# Altium PCB UM-64NNP-V1 rev 0.18_norail.PcbDoc (part 3 of 5)
Units mil, origin at the board's own origin, x right, y up, seen from the top; angles counter-clockwise.
Board outline 2614 x 1090.63 mil, 6 copper layers (L1, L2, L3, L4, L5, L6), stack 20.4 mil thick; 321 components, 171 nets, 960 pads, 1775 vias.
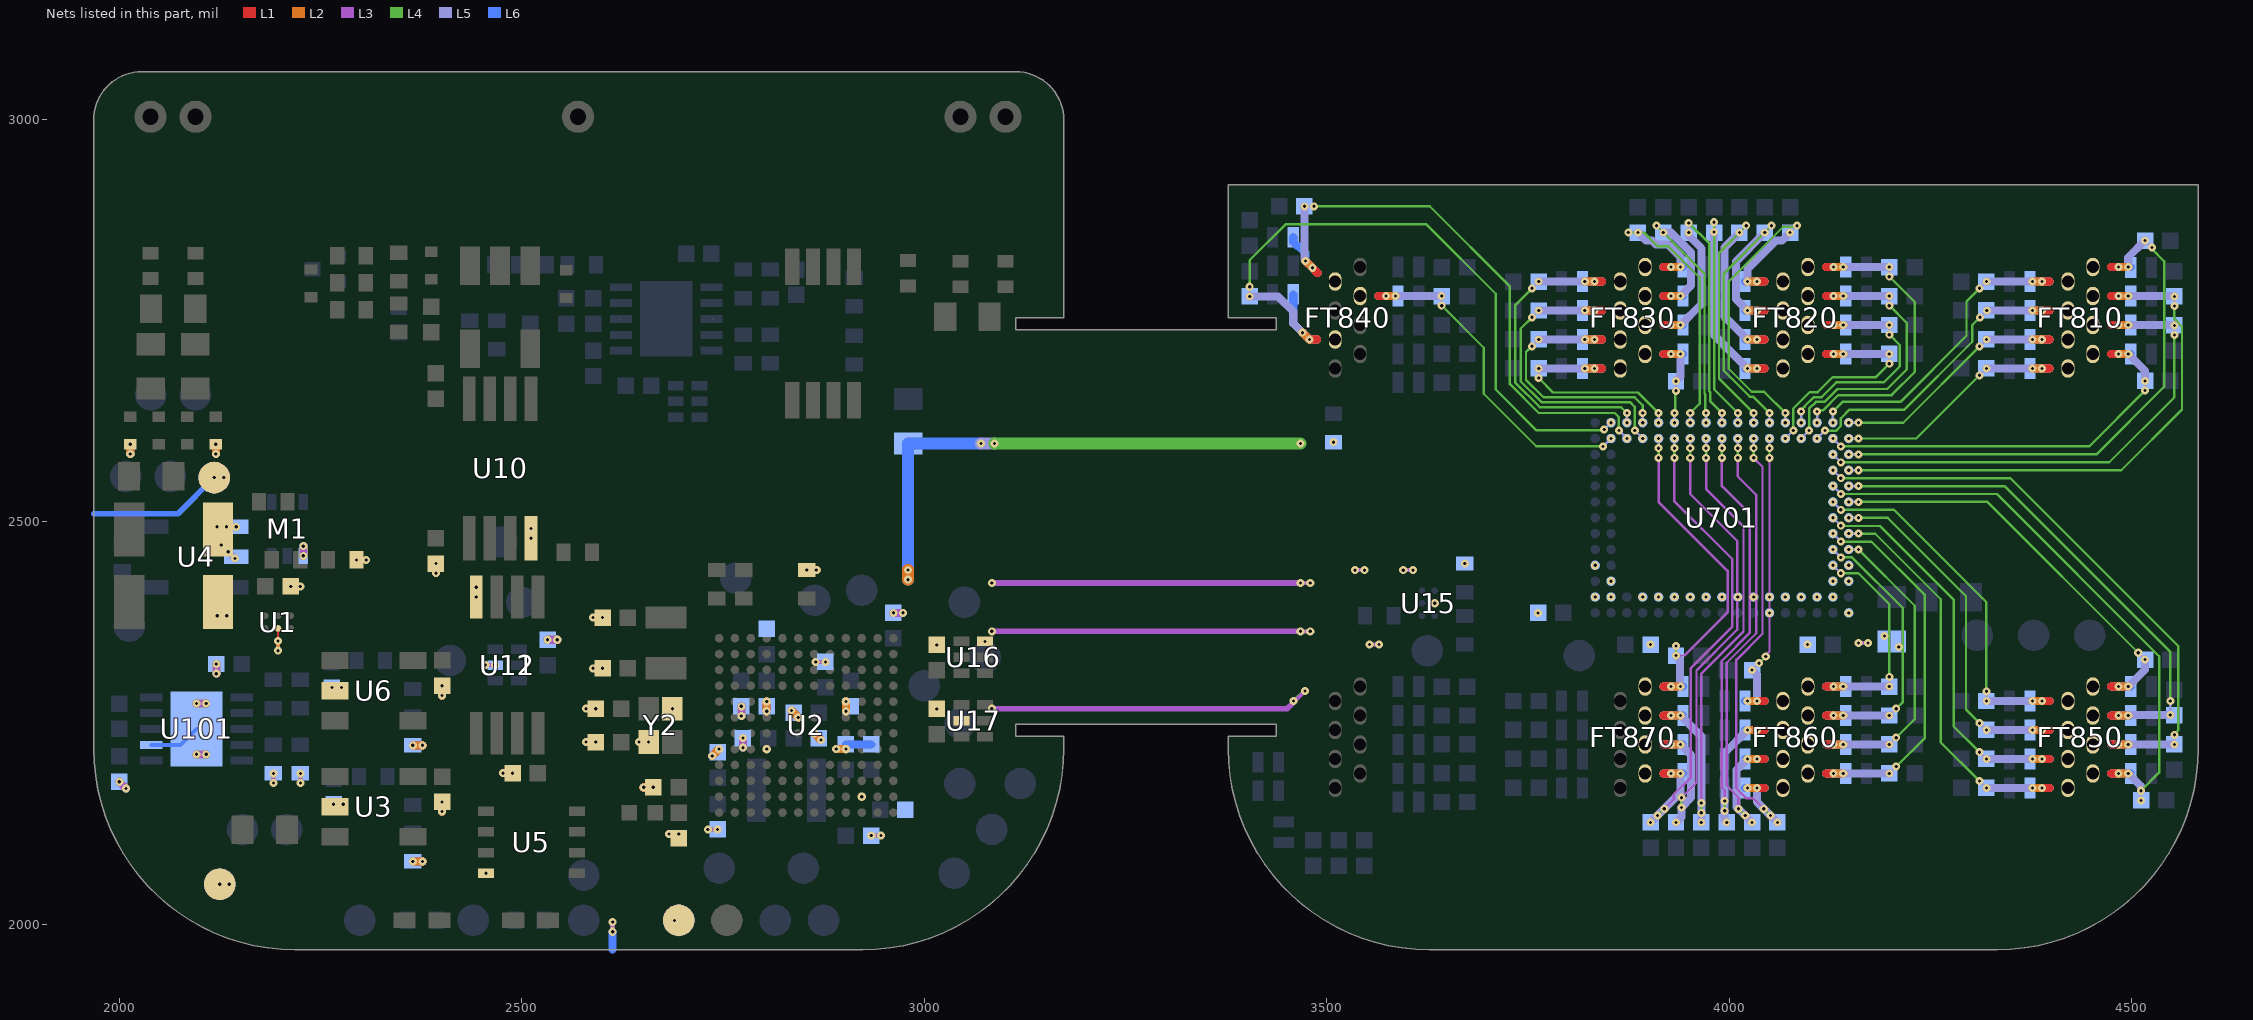
[diagram p7: the nets of this part, all layers, seen from the top]

## Via types
v1: diameter 10, hole 4, L5 to L6, tented bottom, 479 vias
v2: diameter 10, hole 4, L4 to L5, tented top, 389 vias
v3: diameter 10, hole 4, L3 to L4, 304 vias
v4: diameter 10, hole 4, L2 to L3, 295 vias
v5: diameter 10, hole 4, L1 to L2, tented top, 270 vias
v6: diameter 10, hole 4, L4 to L5, 32 vias
v7: diameter 10, hole 4, L3 to L4, tented both sides, 5 vias
v8: diameter 10, hole 4, L5 to L6, tented top, 1 vias

## Nets (pads, with @x,y where several pads share a name; then routed paths per layer and width w, separated by ;. In a path a pad name is that pad's centre, name@x,y a point inside that pad or via, vN(x,y) a via of type N, cw(c..) or ccw(c..) an arc to the next point about the centre after c; other vN are vias at no path point) (continued)
GND: C1.1 C2.2 C3.2 C4.2 C5.2 C6.2 C8.2 C9.2 C10.2 C11.2 C12.2 C13.2 C14.2 C15.1 C16.2 C18.2 C19.2 C23.1 C24.2 C25.2 C26.1 C27.1 C28.2 C34.2 C35.2 C36.2 C37.1 C38.1 C39.2 C40.2 C41.1 C42.1 C43.2 C44.2 C102.2 C103.2 C701.1 C702.1 C703.2 D7.2 D8.2 M1.1 R2.2 R5.1 R14.2 R22.2 R23.2 R33.2 R36.2 R103.2 R104.2 TP11.1 TP19.1 TP25.1 TP31.1 TP32.1 TP33.1 U1.B1 U2.E4 U2.E9 U2.F6 U2.G7 U2.H1 U2.H4 U2.H9 U2.L10 U3.2 U4.1 U4.2 U5.4 U6.2 U10.4 U11.4 U12.2 U15.B1 U16.3 U17.2 U101.2 U101.11 U701.K1 U701.K17 U701.L1 U701.L2 U701.L16 U701.M2 U701.M3 U701.M4 U701.M5 U701.M6 U701.M7 U701.M8 U701.M9 U701.M10 U701.M11 U701.M12 U701.M13 U701.M14 U701.M16 U701.M17 U701.N1 U701.N6 Y2.2 Y2.4 | length 4579.3
  L1 w3: v5(2197.43,2351.98) U1.B1@2197.43,2367.65
  L3 w5: v4(2191.77,2175.63) v3(2191.77,2187.63) ; v4(2197.43,2339.98) v5(2197.43,2351.98) ; v5(2213.18,2419.81) v4(2225.18,2419.81) ; v4(2225.24,2175.63) v3(2225.24,2187.63) ; v5(2294.92,2452.73) v4(2306.92,2452.73) ; v4(2455.2,2322.07) v3(2467.2,2322.07) ; v2(2579.98,2226.53) v1(2591.98,2226.53) ; v2(2579.98,2267.94) v1(2591.98,2267.94) ; v2(2588.61,2318.14) v1(2600.61,2318.14) ; v2(2588.61,2381.13) v1(2600.61,2381.13) ; v3(2613.13,1990.91) v4(2613.13,2002.91) ; v2(2645.77,2226.53) v1(2657.77,2226.53) ; v2(2678.81,2259.46) v1(2687.3,2267.94) ; v2(2731.32,2117.94) v1(2743.32,2117.94) ; v4(2865.27,2326.01) v1(2877.27,2326.01) ; v1(2934.27,2110.42) v4(2946.27,2110.42) ; 3457.5,2274.62 v3(3472.94,2290.06) ; v2(3467.5,2364) v3(3479.5,2364) ; v4(3467.5,2424.1) v3(3479.5,2424.05) ; v4(3535,2440) v3(3547,2440) ; v4(3552.95,2347.75) v3(3564.95,2347.75) ; v2(3595,2440) v3(3607,2440) ; v2(4160.33,2349.59) v3(4172.33,2349.59)
  L3 w7: v4(3084,2268.05) 3450.94,2268.05 3457.5,2274.62 ; v4(3084,2364) v2(3467.5,2364) ; v4(3084,2424.05) v4(3467.5,2424.1)
  L3 w10: v1(2000.33,2177.2) v2(2008.82,2168.71) ; v2(2013.95,2584.28) v1(2013.95,2596.28) ; v1(2096.22,2211.25) v2(2108.22,2211.25) ; v3(2096.22,2274.24) v4(2108.22,2274.24) ; v5(2118.17,2555.05) v4(2130.17,2555.05) ; v2(2120.25,2584.28) v1(2120.25,2596.28) ; v2(2120.83,2311.46) v1(2120.83,2323.46) ; v5(2121.54,2493.86) v2(2133.54,2493.86) ; v1(2121.91,2383.4) v2(2133.91,2383.4) ; v5(2125,2050) v4(2137,2050) ; v3(2127.08,2471.29) v4(2135.57,2462.81) ; v2(2228.9,2457.8) v1(2228.9,2469.8) ; v1(2264.44,2294.18) v2(2276.44,2294.18) ; v5(2266.49,2149.26) v4(2278.49,2149.26) ; v1(2364.84,2078.32) v2(2376.84,2078.32) ; v1(2364.84,2222.43) v2(2376.84,2222.43) ; v2(2393.52,2436.25) v1(2393.52,2448.25) ; v4(2401.26,2140.22) v5(2401.26,2152.22) ; v4(2401.26,2284.32) v5(2401.26,2296.32) ; v1(2443.58,2406.72) v2(2443.58,2418.72) ; v2(2476.85,2187.82) v1(2488.85,2187.82) ; v1(2511.63,2479.74) v2(2511.63,2491.74) ; v1(2532.24,2353.57) v2(2544.24,2353.57) ; v2(2651.6,2170.31) v1(2663.6,2170.31) ; v2(2683.09,2112.31) v1(2695.09,2112.31) ; v4(2736.8,2209.26) v5(2745.29,2217.75) ; v4(2772.85,2258.9) v3(2772.85,2270.9) ; v4(2774.82,2219.53) v3(2774.82,2231.53) ; v4(2804.35,2264.8) v5(2804.35,2276.8) ; v4(2835.23,2265.6) v5(2843.72,2257.12) ; v1(2854.03,2440.19) v2(2866.03,2440.19) ; v5(2863.4,2237.43) v4(2871.89,2228.95) ; v4(2890.77,2217.75) v5(2902.77,2217.75) ; v4(2902.77,2264.8) v5(2902.77,2276.8) ; v1(2961.83,2387.04) v2(2973.83,2387.04)
  L3 w15: v2(2980,2428.19) v1(2980,2440.19)
  L4 w5: v4(2191.77,2175.63) v3(2191.77,2187.63) ; v4(2197.43,2339.98) v5(2197.43,2351.98) ; v5(2213.18,2419.81) v4(2225.18,2419.81) ; v4(2225.24,2175.63) v3(2225.24,2187.63) ; v5(2294.92,2452.73) v4(2306.92,2452.73) ; v4(2455.2,2322.07) v3(2467.2,2322.07) ; v2(2579.98,2226.53) v1(2591.98,2226.53) ; v2(2579.98,2267.94) v1(2591.98,2267.94) ; v2(2588.61,2318.14) v1(2600.61,2318.14) ; v2(2588.61,2381.13) v1(2600.61,2381.13) ; v3(2613.13,1990.91) v4(2613.13,2002.91) ; v2(2645.77,2226.53) v1(2657.77,2226.53) ; v2(2678.81,2259.46) v1(2687.3,2267.94) ; v2(2731.32,2117.94) v1(2743.32,2117.94) ; v4(2865.27,2326.01) v1(2877.27,2326.01) ; v1(2934.27,2110.42) v4(2946.27,2110.42) ; v2(3458.61,2277.42) 3459.45,2277.42 3472.09,2290.06 v3(3472.94,2290.06) ; v2(3467.5,2364) v3(3479.5,2364) ; v4(3467.5,2424.1) v3(3479.5,2424.05) ; v4(3535,2440) v3(3547,2440) ; v4(3552.95,2347.75) v3(3564.95,2347.75) ; v2(3595,2440) v3(3607,2440) ; v2(4160.33,2349.59) v3(4172.33,2349.59)
  L4 w10: v1(2000.33,2177.2) v2(2008.82,2168.71) ; v2(2013.95,2584.28) v1(2013.95,2596.28) ; v1(2096.22,2211.25) v2(2108.22,2211.25) ; v3(2096.22,2274.24) v4(2108.22,2274.24) ; v5(2118.17,2555.05) v4(2130.17,2555.05) ; v2(2120.25,2584.28) v1(2120.25,2596.28) ; v2(2120.83,2311.46) v1(2120.83,2323.46) ; v5(2121.54,2493.86) v2(2133.54,2493.86) ; v1(2121.91,2383.4) v2(2133.91,2383.4) ; v5(2125,2050) v4(2137,2050) ; v3(2127.08,2471.29) v4(2135.57,2462.81) ; v2(2228.9,2457.8) v1(2228.9,2469.8) ; v1(2264.44,2294.18) v2(2276.44,2294.18) ; v5(2266.49,2149.26) v4(2278.49,2149.26) ; v1(2364.84,2078.32) v2(2376.84,2078.32) ; v1(2364.84,2222.43) v2(2376.84,2222.43) ; v2(2393.52,2436.25) v1(2393.52,2448.25) ; v4(2401.26,2140.22) v5(2401.26,2152.22) ; v4(2401.26,2284.32) v5(2401.26,2296.32) ; v1(2443.58,2406.72) v2(2443.58,2418.72) ; v2(2476.85,2187.82) v1(2488.85,2187.82) ; v1(2511.63,2479.74) v2(2511.63,2491.74) ; v1(2532.24,2353.57) v2(2544.24,2353.57) ; v2(2651.6,2170.31) v1(2663.6,2170.31) ; v2(2683.09,2112.31) v1(2695.09,2112.31) ; v4(2736.8,2209.26) v5(2745.29,2217.75) ; v4(2772.85,2258.9) v3(2772.85,2270.9) ; v4(2774.82,2219.53) v3(2774.82,2231.53) ; v4(2804.35,2264.8) v5(2804.35,2276.8) ; v4(2835.23,2265.6) v5(2843.72,2257.12) ; v1(2854.03,2440.19) v2(2866.03,2440.19) ; v5(2863.4,2237.43) v4(2871.89,2228.95) ; v4(2890.77,2217.75) v5(2902.77,2217.75) ; v4(2902.77,2264.8) v5(2902.77,2276.8) ; v1(2961.83,2387.04) v2(2973.83,2387.04)
  L4 w15: v2(2980,2428.19) v1(2980,2440.19) ; v2(3087.48,2597.44) 3087.62,2597.3 v2(3467.5,2597.3)
  L2 w5: v4(2197.43,2339.98) v5(2197.43,2351.98) ; v5(2213.18,2419.81) v4(2225.18,2419.81) ; v5(2294.92,2452.73) v4(2306.92,2452.73) ; v2(2579.98,2226.53) v1(2591.98,2226.53) ; v2(2579.98,2267.94) v1(2591.98,2267.94) ; v2(2588.61,2318.14) v1(2600.61,2318.14) ; v2(2588.61,2381.13) v1(2600.61,2381.13) ; v2(2645.77,2226.53) v1(2657.77,2226.53) ; v2(2678.81,2259.46) v1(2687.3,2267.94)
  L2 w10: v2(2013.95,2584.28) v1(2013.95,2596.28) ; v5(2118.17,2555.05) v4(2130.17,2555.05) ; v2(2120.25,2584.28) v1(2120.25,2596.28) ; v5(2121.54,2493.86) v2(2133.54,2493.86) ; v1(2121.91,2383.4) v2(2133.91,2383.4) ; v5(2125,2050) v4(2137,2050) ; v3(2127.08,2471.29) v4(2135.57,2462.81) ; v1(2264.44,2294.18) v2(2276.44,2294.18) ; v5(2266.49,2149.26) v4(2278.49,2149.26) ; v1(2364.84,2078.32) v2(2376.84,2078.32) ; v1(2364.84,2222.43) v2(2376.84,2222.43) ; v2(2393.52,2436.25) v1(2393.52,2448.25) ; v4(2401.26,2140.22) v5(2401.26,2152.22) ; v4(2401.26,2284.32) v5(2401.26,2296.32) ; v1(2443.58,2406.72) v2(2443.58,2418.72) ; v2(2476.85,2187.82) v1(2488.85,2187.82) ; v1(2511.63,2479.74) v2(2511.63,2491.74) ; v2(2651.6,2170.31) v1(2663.6,2170.31) ; v2(2683.09,2112.31) v1(2695.09,2112.31) ; v4(2736.8,2209.26) v5(2745.29,2217.75) ; v4(2804.35,2264.8) v5(2804.35,2276.8) ; v4(2835.23,2265.6) v5(2843.72,2257.12) ; v1(2854.03,2440.19) v2(2866.03,2440.19) ; v5(2863.4,2237.43) v4(2871.89,2228.95) ; v4(2890.77,2217.75) v5(2902.77,2217.75) ; v4(2902.77,2264.8) v5(2902.77,2276.8)
  L2 w15: v2(2980,2428.19) v1(2980,2440.19)
  L5 w5: v4(2191.77,2175.63) v3(2191.77,2187.63) ; v4(2197.43,2339.98) v5(2197.43,2351.98) ; v5(2213.18,2419.81) v4(2225.18,2419.81) ; v4(2225.24,2175.63) v3(2225.24,2187.63) ; v5(2294.92,2452.73) v4(2306.92,2452.73) ; v4(2455.2,2322.07) v3(2467.2,2322.07) ; v2(2579.98,2226.53) v1(2591.98,2226.53) ; v2(2579.98,2267.94) v1(2591.98,2267.94) ; v2(2588.61,2318.14) v1(2600.61,2318.14) ; v2(2588.61,2381.13) v1(2600.61,2381.13) ; v3(2613.13,1990.91) v4(2613.13,2002.91) ; v2(2645.77,2226.53) v1(2657.77,2226.53) ; v2(2678.81,2259.46) v1(2687.3,2267.94) ; v2(2731.32,2117.94) v1(2743.32,2117.94) ; v4(2865.27,2326.01) v1(2877.27,2326.01) ; v1(2934.27,2110.42) v4(2946.27,2110.42)
  L5 w10: v1(2000.33,2177.2) v2(2008.82,2168.71) ; v2(2013.95,2584.28) v1(2013.95,2596.28) ; v1(2096.22,2211.25) v2(2108.22,2211.25) ; v3(2096.22,2274.24) v4(2108.22,2274.24) ; v5(2118.17,2555.05) v4(2130.17,2555.05) ; v2(2120.25,2584.28) v1(2120.25,2596.28) ; v2(2120.83,2311.46) v1(2120.83,2323.46) ; v1(2121.91,2383.4) v2(2133.91,2383.4) ; v5(2125,2050) v4(2137,2050) ; v2(2133.54,2493.86) v1(2145.54,2493.86) ; v4(2135.57,2462.81) v1(2144.05,2454.32) ; v2(2228.9,2457.8) v1(2228.9,2469.8) ; v1(2264.44,2294.18) v2(2276.44,2294.18) ; v5(2266.49,2149.26) v4(2278.49,2149.26) ; v1(2364.84,2078.32) v2(2376.84,2078.32) ; v1(2364.84,2222.43) v2(2376.84,2222.43) ; v2(2393.52,2436.25) v1(2393.52,2448.25) ; v4(2401.26,2140.22) v5(2401.26,2152.22) ; v4(2401.26,2284.32) v5(2401.26,2296.32) ; v1(2443.58,2406.72) v2(2443.58,2418.72) ; v2(2476.85,2187.82) v1(2488.85,2187.82) ; v1(2511.63,2479.74) v2(2511.63,2491.74) ; v1(2532.24,2353.57) v2(2544.24,2353.57) ; v2(2651.6,2170.31) v1(2663.6,2170.31) ; v2(2683.09,2112.31) v1(2695.09,2112.31) ; v4(2736.8,2209.26) v5(2745.29,2217.75) ; v4(2772.85,2258.9) v3(2772.85,2270.9) ; v4(2774.82,2219.53) v3(2774.82,2231.53) ; v4(2804.35,2264.8) v5(2804.35,2276.8) ; v4(2835.23,2265.6) v5(2843.72,2257.12) ; v1(2854.03,2440.19) v2(2866.03,2440.19) ; v5(2863.4,2237.43) v4(2871.89,2228.95) ; v4(2890.77,2217.75) v5(2902.77,2217.75) ; v4(2902.77,2264.8) v5(2902.77,2276.8) ; v1(2961.83,2387.04) v2(2973.83,2387.04)
  L5 w15: v2(2980,2428.19) v1(2980,2440.19) ; v1(3070.48,2597.44) v2(3087.48,2597.44)
  L6 w5: 1968.5,2510 1968.63,2510 ; U101.2@2040.12,2223.06 2076.54,2223.06 U101.11@2096.22,2242.75
  L6 w7: 1968.63,2510 2073.11,2510 v5(2118.17,2555.05)
  L6 w10: 2613.13,1968.83 v3(2613.13,1990.91) ; C43.2@2902.77,2223.65 C40.2@2934.27,2223.65
  L6 w15: v1(2980,2440.19) C37.1@2980,2597.44 v1(3070.48,2597.44)
  other v1: 2125,2050 2266.49,2149.26 2401.26,2152.22 2191.77,2187.63 2225.24,2187.63 2745.29,2217.75 2902.77,2217.75 2774.82,2231.53 2863.4,2237.43 2843.72,2257.12 2772.85,2270.9 2096.22,2274.24 2804.35,2276.8 2902.77,2276.8 2401.26,2296.32 2467.2,2322.07 4210.49,2344.63 3902.26,2347.61 4097.15,2347.63 2197.43,2351.98 4192.77,2358.41 3762.5,2386.96 4049.91,2386.96 4148.33,2386.96 3634.11,2398.93 3833.37,2406.64 3853.05,2406.64 3892.42,2406.64 3912.11,2406.64 3931.79,2406.64 3951.48,2406.64 3971.16,2406.64 3990.85,2406.64 4010.54,2406.64 4030.22,2406.64 4049.91,2406.64 4069.59,2406.64 4089.28,2406.64 4108.96,2406.64 4128.65,2406.64 2213.18,2419.81 3853.05,2426.33 4128.65,2426.33 4148.33,2426.33 3833.37,2446.01 4148.33,2446.01 3671.51,2448.15 2294.92,2452.73 2118.17,2555.05 3508.35,2598.96
  other v2: 2613.13,2002.91 2137,2050 2946.27,2110.42 2401.26,2140.22 2278.49,2149.26 2191.77,2175.63 2225.24,2175.63 2736.8,2209.26 2890.77,2217.75 2774.82,2219.53 2871.89,2228.95 2772.85,2258.9 2804.35,2264.8 2902.77,2264.8 2835.23,2265.6 2108.22,2274.24 2401.26,2284.32 2455.2,2322.07 2865.27,2326.01 2197.43,2339.98 3552.95,2347.75 2225.18,2419.81 3467.5,2424.05 3535,2440 2306.92,2452.73 2135.57,2462.81 2130.17,2555.05
  other v3: 2125,2050 2364.84,2078.32 2934.27,2110.42 2695.09,2112.31 2743.32,2117.94 2266.49,2149.26 2401.26,2152.22 2663.6,2170.31 2000.33,2177.2 2488.85,2187.82 2096.22,2211.25 2745.29,2217.75 2902.77,2217.75 2364.84,2222.43 2591.98,2226.53 2657.77,2226.53 2863.4,2237.43 2843.72,2257.12 2591.98,2267.94 2687.3,2267.94 2804.35,2276.8 2902.77,2276.8 2264.44,2294.18 2401.26,2296.32 2600.61,2318.14 2120.83,2323.46 2877.27,2326.01 2197.43,2351.98 2532.24,2353.57 2600.61,2381.13 2121.91,2383.4 2961.83,2387.04 2443.58,2406.72 2213.18,2419.81 2854.03,2440.19 2980,2440.19 2393.52,2448.25 2294.92,2452.73 2228.9,2469.8 2511.63,2479.74 2121.54,2493.86 2118.17,2555.05 2013.95,2596.28 2120.25,2596.28
  other v4: 2376.84,2078.32 2683.09,2112.31 2731.32,2117.94 2008.82,2168.71 2651.6,2170.31 2476.85,2187.82 2108.22,2211.25 2376.84,2222.43 2579.98,2226.53 2645.77,2226.53 2678.81,2259.46 2579.98,2267.94 2276.44,2294.18 2120.83,2311.46 2588.61,2318.14 4160.33,2349.59 2544.24,2353.57 3467.5,2364.05 2588.61,2381.13 2133.91,2383.4 2973.83,2387.04 2443.58,2418.72 2980,2428.19 2393.52,2436.25 2866.03,2440.19 3595,2440 2228.9,2457.8 2511.63,2491.74 2133.54,2493.86 2013.95,2584.28 2120.25,2584.28
  other v5: 2690,2004.99 2455.73,2063.69 2364.84,2078.32 2695.09,2112.31 2922.46,2158.69 2663.6,2170.31 2488.85,2187.82 2804.35,2217.75 2364.84,2222.43 2591.98,2226.53 2657.77,2226.53 3046.14,2252.97 2591.98,2267.94 2687.3,2267.94 3015.63,2267.73 2264.44,2294.18 2600.61,2318.14 3015.63,2347.16 3075.67,2351.55 2600.61,2381.13 2121.91,2383.4 2443.58,2406.72 2854.03,2440.19 2980,2440.19 2393.52,2448.25 2127.08,2471.29 2511.63,2479.74 2013.95,2596.28 2120.25,2596.28
  other v8: 2613.13,1990.91
IN0: C865.2 D865.1 FT860.5 U701.K2 | length 379.4
  L1 w10: 4120.38,2295.5 v1(4129.5,2295.5)
  L3 w10: 4120.38,2295.5 v1(4129.5,2295.5) v2(4141.5,2295.5)
  L4 w3: v2(4138.49,2436.17) 4160.37,2436.17 4198.7,2397.83 4198.7,2307.55 v2(4198.75,2307.5)
  L4 w10: 4120.38,2295.5 v1(4129.5,2295.5) v2(4141.5,2295.5)
  L2 w10: 4120.38,2295.5 v1(4129.5,2295.5) v2(4141.5,2295.5)
  L5 w3: v1(4128.65,2446.01) v2(4138.49,2436.17) ; v1(4198.75,2295.5) v2(4198.75,2307.5)
  L5 w10: 4120.38,2295.5 v1(4129.5,2295.5) ; v2(4141.5,2295.5) v1(4129.5,2295.5) ; v1(4198.75,2295.5) v1(4129.5,2295.5)
  L6 w10: 4120.38,2295.5 v1(4129.5,2295.5) D865.1@4144.62,2295.5
  other v3: 4129.5,2295.5
  other v4: 4141.5,2295.5
  other v5: 4129.5,2295.5
IN1: C867.2 D867.1 FT860.7 U701.J1 | length 483.3
  L1 w10: 4120.38,2223.5 v1(4129.5,2223.5)
  L3 w10: 4120.38,2223.5 v1(4129.5,2223.5) v2(4141.5,2223.5)
  L4 w3: v2(4160.33,2465.7) 4230.25,2395.78 4230.25,2255 v2(4207.24,2231.99)
  L4 w10: 4120.38,2223.5 v1(4129.5,2223.5) v2(4141.5,2223.5)
  L2 w10: 4120.38,2223.5 v1(4129.5,2223.5) v2(4141.5,2223.5)
  L5 w3: v1(4148.33,2465.7) v2(4160.33,2465.7) ; v1(4198.75,2223.5) v2(4207.24,2231.99)
  L5 w10: 4120.38,2223.5 v1(4129.5,2223.5) ; v2(4141.5,2223.5) v1(4129.5,2223.5) ; v1(4198.75,2223.5) v1(4129.5,2223.5)
  L6 w10: 4120.38,2223.5 v1(4129.5,2223.5) D867.1@4144.62,2223.5
  other v3: 4129.5,2223.5
  other v4: 4141.5,2223.5
  other v5: 4129.5,2223.5
IN2: C866.2 D866.1 FT860.6 U701.J2 | length 444.3
  L1 w10: 4120.38,2259.5 v1(4129.5,2259.5)
  L3 w10: 4120.38,2259.5 v1(4129.5,2259.5) v2(4141.5,2259.5)
  L4 w3: v2@4138.68,2456.05 4138.78,2455.95 4152.31,2455.95 4215.63,2392.64 4215.63,2276.38 v2(4207.24,2267.99)
  L4 w10: 4120.38,2259.5 v1(4129.5,2259.5) v2(4141.5,2259.5)
  L2 w10: 4120.38,2259.5 v1(4129.5,2259.5) v2(4141.5,2259.5)
  L5 w3: v1(4128.65,2465.7) v2(4138.49,2455.86) ; v1(4198.75,2259.5) v2(4207.24,2267.99)
  L5 w10: 4120.38,2259.5 v1(4129.5,2259.5) ; v2(4141.5,2259.5) v1(4129.5,2259.5) ; v1(4198.75,2259.5) v1(4129.5,2259.5)
  L6 w10: 4120.38,2259.5 v1(4129.5,2259.5) D866.1@4144.62,2259.5
  other v3: 4129.5,2259.5
  other v4: 4141.5,2259.5
  other v5: 4129.5,2259.5
IN3: C854.2 D854.1 FT850.4 U701.H1 | length 592.9
  L1 w10: v1(4388.51,2169.5) 4397.63,2169.5
  L3 w10: v2(4376.51,2169.5) v1(4388.51,2169.5) 4397.63,2169.5
  L4 w3: v2(4160.33,2485.38) 4160.46,2485.25 4181.17,2485.25 4262.6,2403.82 4262.6,2226.16 v2(4310.77,2177.99)
  L4 w10: v2(4376.51,2169.5) v1(4388.51,2169.5) 4397.63,2169.5
  L2 w10: v2(4376.51,2169.5) v1(4388.51,2169.5) 4397.63,2169.5
  L5 w3: v1(4148.33,2485.38) v2(4160.33,2485.38) ; v2(4310.77,2177.99) v1(4319.26,2169.5)
  L5 w10: v1(4319.26,2169.5) v1(4388.51,2169.5) ; v2(4376.51,2169.5) v1(4388.51,2169.5) ; 4397.63,2169.5 v1(4388.51,2169.5)
  L6 w10: D854.1@4373.39,2169.5 v1(4388.51,2169.5) 4397.63,2169.5
  other v3: 4388.51,2169.5
  other v4: 4376.51,2169.5
  other v5: 4388.51,2169.5
IN4: C868.2 D868.1 FT860.8 U701.H2 | length 572.7
  L1 w10: 4120.38,2187.5 v1(4129.5,2187.5)
  L3 w10: 4120.38,2187.5 v1(4129.5,2187.5) v2(4141.5,2187.5)
  L4 w3: v2(4138.49,2475.54) 4176.35,2475.54 4242.88,2409.01 4242.88,2231.63 v2(4207.24,2195.99)
  L4 w10: 4120.38,2187.5 v1(4129.5,2187.5) v2(4141.5,2187.5)
  L2 w10: 4120.38,2187.5 v1(4129.5,2187.5) v2(4141.5,2187.5)
  L5 w3: v1(4128.65,2485.38) v2(4138.49,2475.54) ; v1(4198.75,2187.5) v2(4207.24,2195.99)
  L5 w10: 4120.38,2187.5 v1(4129.5,2187.5) ; v2(4141.5,2187.5) v1(4129.5,2187.5) ; v1(4198.75,2187.5) v1(4129.5,2187.5)
  L6 w10: 4120.38,2187.5 v1(4129.5,2187.5) D868.1@4144.62,2187.5
  other v3: 4129.5,2187.5
  other v4: 4141.5,2187.5
  other v5: 4129.5,2187.5
IN5: C852.2 D852.1 FT850.2 U701.G1 | length 549.7
  L1 w10: v1(4388.51,2241.5) 4397.63,2241.5
  L3 w10: v2(4376.51,2241.5) v1(4388.51,2241.5) 4397.63,2241.5
  L4 w3: v2(4160.33,2505.07) 4160.47,2504.93 4196.73,2504.93 4294,2407.65 4294,2266.76 v2(4310.77,2249.99)
  L4 w10: v2(4376.51,2241.5) v1(4388.51,2241.5) 4397.63,2241.5
  L2 w10: v2(4376.51,2241.5) v1(4388.51,2241.5) 4397.63,2241.5
  L5 w3: v1(4148.33,2505.07) v2(4160.33,2505.07) ; v2(4310.77,2249.99) v1(4319.26,2241.5)
  L5 w10: v1(4319.26,2241.5) v1(4388.51,2241.5) ; v2(4376.51,2241.5) v1(4388.51,2241.5) ; 4397.63,2241.5 v1(4388.51,2241.5)
  L6 w10: D852.1@4373.39,2241.5 v1(4388.51,2241.5) 4397.63,2241.5
  other v3: 4388.51,2241.5
  other v4: 4376.51,2241.5
  other v5: 4388.51,2241.5
IN6: C853.2 D853.1 FT850.3 U701.G2 | length 593.8
  L1 w10: v1(4388.51,2205.5) 4397.63,2205.5
  L3 w10: v2(4376.51,2205.5) v1(4388.51,2205.5) 4397.63,2205.5
  L4 w3: v2(4138.49,2495.23) 4138.84,2494.88 4187.06,2494.88 4278.57,2403.36 4278.57,2246.19 v2(4310.77,2213.99)
  L4 w10: v2(4376.51,2205.5) v1(4388.51,2205.5) 4397.63,2205.5
  L2 w10: v2(4376.51,2205.5) v1(4388.51,2205.5) 4397.63,2205.5
  L5 w3: v1(4128.65,2505.07) v2(4138.49,2495.23) ; v2(4310.77,2213.99) v1(4319.26,2205.5)
  L5 w10: v1(4319.26,2205.5) v1(4388.51,2205.5) ; v2(4376.51,2205.5) v1(4388.51,2205.5) ; 4397.63,2205.5 v1(4388.51,2205.5)
  L6 w10: D853.1@4373.39,2205.5 v1(4388.51,2205.5) 4397.63,2205.5
  other v3: 4388.51,2205.5
  other v4: 4376.51,2205.5
  other v5: 4388.51,2205.5
IN7: C855.2 D855.1 FT850.5 U701.F1 | length 609
  L1 w10: 4474.38,2295.5 v1(4483.5,2295.5)
  L3 w10: 4474.38,2295.5 v1(4483.5,2295.5) v2(4495.5,2295.5)
  L4 w3: v2(4160.33,2524.76) 4320.56,2524.76 v2(4507.86,2337.45)
  L4 w10: 4474.38,2295.5 v1(4483.5,2295.5) v2(4495.5,2295.5)
  L2 w10: 4474.38,2295.5 v1(4483.5,2295.5) v2(4495.5,2295.5)
  L5 w3: v1(4148.33,2524.76) v2(4160.33,2524.76) ; v2(4507.86,2337.45) v1(4516.34,2328.97)
  L5 w10: 4474.38,2295.5 v1(4483.5,2295.5) v2(4495.5,2295.5) 4516.34,2316.35 v1(4516.34,2328.97)
  L6 w10: 4474.38,2295.5 v1(4483.5,2295.5) D855.1@4498.62,2295.5
  other v3: 4483.5,2295.5
  other v4: 4495.5,2295.5
  other v5: 4483.5,2295.5
IN8: C851.2 D851.1 FT850.1 U701.F2 | length 552
  L1 w10: v1(4388.51,2277.5) 4397.63,2277.5
  L3 w10: v2(4376.51,2277.5) v1(4388.51,2277.5) 4397.63,2277.5
  L4 w3: v2(4138.49,2514.92) 4138.53,2514.96 4204.53,2514.96 4319.26,2400.24 v2(4319.26,2289.5)
  L4 w10: v2(4376.51,2277.5) v1(4388.51,2277.5) 4397.63,2277.5
  L2 w10: v2(4376.51,2277.5) v1(4388.51,2277.5) 4397.63,2277.5
  L5 w3: v1(4128.65,2524.76) v2(4138.49,2514.92) ; v1(4319.26,2277.5) v2(4319.26,2289.5)
  L5 w10: v1(4319.26,2277.5) v1(4388.51,2277.5) ; v2(4376.51,2277.5) v1(4388.51,2277.5) ; 4397.63,2277.5 v1(4388.51,2277.5)
  L6 w10: D851.1@4373.39,2277.5 v1(4388.51,2277.5) 4397.63,2277.5
  other v3: 4388.51,2277.5
  other v4: 4376.51,2277.5
  other v5: 4388.51,2277.5
IN9: C856.2 D856.1 FT850.6 U701.E1 | length 732.7
  L1 w10: 4474.38,2259.5 v1(4483.5,2259.5)
  L3 w10: 4474.38,2259.5 v1(4483.5,2259.5) v2(4495.5,2259.5)
  L4 w3: v2(4160.33,2544.44) 4341.83,2544.44 4547.75,2338.51 v2(4547.75,2277.5)
  L4 w10: 4474.38,2259.5 v1(4483.5,2259.5) v2(4495.5,2259.5)
  L2 w10: 4474.38,2259.5 v1(4483.5,2259.5) v2(4495.5,2259.5)
  L5 w3: v1(4148.33,2544.44) v2(4160.33,2544.44) ; v1(4547.75,2260.07) v2(4547.75,2277.5)
  L5 w10: 4474.38,2259.5 v1(4483.5,2259.5) v2(4495.5,2259.5) ; v2@4496.07,2260.07 v1(4547.75,2260.07)
  L6 w10: 4474.38,2259.5 v1(4483.5,2259.5) D856.1@4498.62,2259.5
  other v3: 4483.5,2259.5
  other v4: 4495.5,2259.5
  other v5: 4483.5,2259.5
IN10: C858.2 D858.1 FT850.8 U701.E2 | length 827
  L1 w10: 4474.38,2187.5 v1(4483.5,2187.5)
  L3 w10: 4474.38,2187.5 v1(4483.5,2187.5) v2(4495.5,2187.5)
  L4 w3: v2(4138.49,2534.6) 4332.4,2534.6 4533.87,2333.13 4533.87,2188.57 v2(4511.34,2166.04)
  L4 w10: 4474.38,2187.5 v1(4483.5,2187.5) v2(4495.5,2187.5)
  L2 w10: 4474.38,2187.5 v1(4483.5,2187.5) v2(4495.5,2187.5)
  L5 w3: v1(4128.65,2544.44) v2(4138.49,2534.6) ; v1(4511.34,2154.04) v2(4511.34,2166.04)
  L5 w10: 4474.38,2187.5 v1(4483.5,2187.5) v2(4495.5,2187.5) 4511.34,2171.66 v2(4511.34,2166.04)
  L6 w10: 4474.38,2187.5 v1(4483.5,2187.5) D858.1@4498.62,2187.5
  other v3: 4483.5,2187.5
  other v4: 4495.5,2187.5
  other v5: 4483.5,2187.5
IN11: C816.2 D816.1 FT810.6 U701.D1 | length 764.8
  L1 w10: 4474.38,2780.5 v1(4483.5,2780.5)
  L3 w10: 4474.38,2780.5 v1(4483.5,2780.5) v2(4495.5,2780.5)
  L4 w3: v2(4160.33,2564.13) 4486.81,2564.13 4562.25,2639.57 4562.25,2742.27 4552.75,2751.77 v2(4552.75,2767.94)
  L4 w10: 4474.38,2780.5 v1(4483.5,2780.5) v2(4495.5,2780.5)
  L2 w10: 4474.38,2780.5 v1(4483.5,2780.5) v2(4495.5,2780.5)
  L5 w3: v1(4148.33,2564.13) v2(4160.33,2564.13) ; v2(4552.75,2767.94) v1(4552.75,2779.94)
  L5 w10: 4474.38,2780.5 v1(4483.5,2780.5) v2(4495.5,2780.5) 4552.19,2780.5 v1(4552.75,2779.94)
  L6 w10: 4474.38,2780.5 v1(4483.5,2780.5) D816.1@4498.62,2780.5
  other v3: 4483.5,2780.5